# Altium PCB LimeSDR-QPCIe_1v2.PcbDoc (part 18 of 21)
Units mm, origin at the board's own origin, x right, y up, seen from the top; angles counter-clockwise.
Board outline 190 x 111.15 mm, 14 copper layers (Top, L2, L3, L4, L5, L6, L7, L8, L9, L10, L11, L12, L13, Bottom), stack 1.907 mm thick; 2014 components, 1408 nets, 9111 pads, 4171 vias.
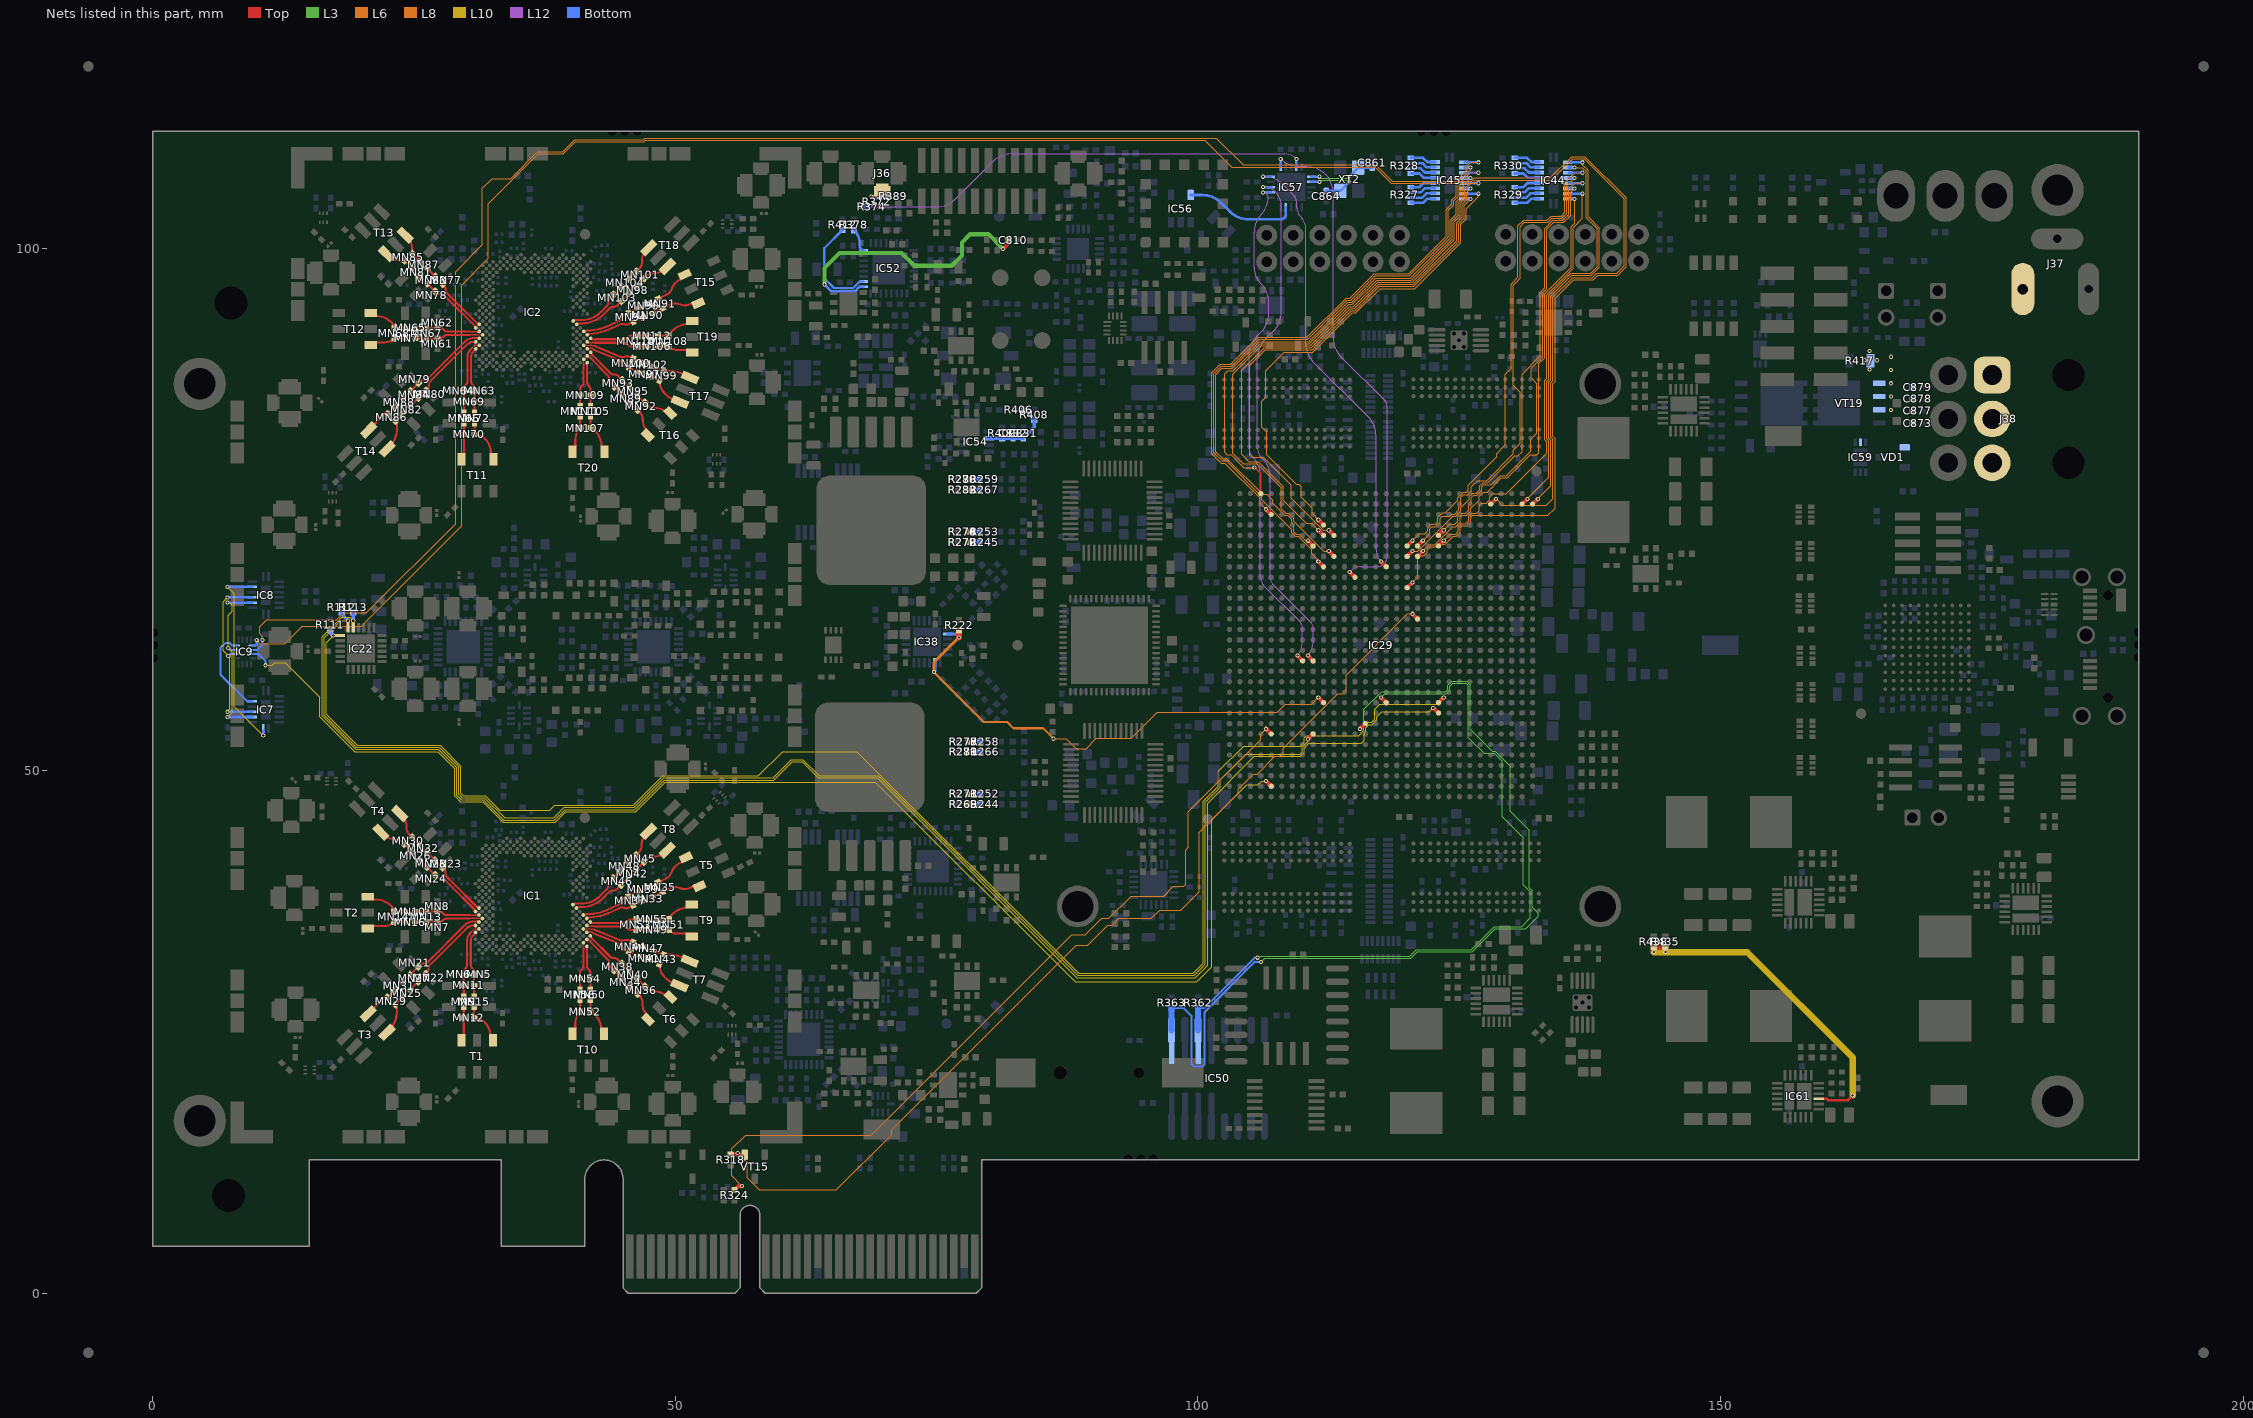
[diagram p30: the nets of this part, all layers, seen from the top]

## Via types
v1: diameter 0.4, hole 0.2, Top to Bottom, tented both sides, 3282 vias
v2: diameter 0.4, hole 0.2, Top to Bottom, tented top, 531 vias
v3: diameter 0.35, hole 0.2, Top to Bottom, tented top, 210 vias
v4: diameter 0.5, hole 0.2, Top to Bottom, tented both sides, 99 vias
v5: diameter 0.5, hole 0.2, Top to Bottom, tented bottom, 49 vias

## Nets (pads, with @x,y where several pads share a name; then routed paths per layer and width w, separated by ;. In a path a pad name is that pad's centre, name@x,y a point inside that pad or via, vN(x,y) a via of type N, cw(c..) or ccw(c..) an arc to the next point about the centre after c; other vN are vias at no path point) (continued)
PCIE_SMDAT_LS: IC29.V12 R318.2 VT15.S | length 96.7
  Top w0.309: R318.2@55.3,13.25 VT15.S@56.65,13.25
  Top w0.4: v2(120.525,65) IC29.V12@121.025,64.5
  L8 w0.1: v1(55.975,13.425) 56.9,12.5 56.9,11.025 58.025,9.9 65.425,9.9 70.7,15.175 70.7,15.625 88.35,33.275 89.45,33.275 91.4,35.225 91.825,35.225 92.45,35.85 95.55,35.85 96.35,36.65 98.35,36.65 100.125,38.425 100.125,44.105 103.875,47.855 103.875,48.225 105.3,49.65 105.67,49.65 107.37,51.35 107.85,51.35 108.175,51.675 108.175,52.155 113.385,57.365 113.865,57.365 114.175,57.675 114.175,59.145 120.03,65 v2(120.525,65)
PCIE_WAKEN: IC29.G26 R324.1 | length 77.5
  Top w0.4: R324.1@55.675,9.875 56.05,10.25 v1(56.375,10.25) ; v2(106.525,54) IC29.G26@107.025,53.5
  L8 w0.1: v1(56.375,10.25) 55.4,11.225 55.4,13.8 56.725,15.125 68.77,15.125 87.92,34.275 89.225,34.275 90.808,35.858 91.475,35.858 93.617,38 96.725,38 97.65,38.925 98.65,38.925 98.85,39.125 98.85,42.4 99.1,42.65 99.1,46.07 106,52.97 106,53.475 v2(106.525,54)
PD_ADC_DRV: IC29.K21 IC38.14 IC38.20 R222.1 | length 49.7
  Top w0.4: v2(111.525,57) IC29.K21@112.025,56.5
  Top w0.6: v1(77.15,62.75) R222.1@77.15,63.4
  L6 w0.2: v1(74.75,59.425) 79.525,54.65 81.75,54.65 82.346,54.054 85.196,54.054 v1(86.2,53.05)
  L6 w0.3: v1(74.75,59.425) 74.75,60.35 v1(77.15,62.75)
  L8 w0.1: v1(86.2,53.05) 87.425,53.05 88.38,52.095 89.3,52.095 90.28,53.075 93.625,53.075 96.125,55.575 107.595,55.575 108.37,56.35 108.67,56.35 110.875,56.35 v2(111.525,57)
  Bottom w0.254: IC38.14@76.075,63.075 76.825,63.075 v1(77.15,62.75)
  Bottom w0.3: v1(74.75,59.425) 74.825,59.5 IC38.20@74.825,60.325
PG_VCC1P1: IC61.21 R435.2 R438.1 | length 31.4
  Top w0.25: IC61.21@159.425,18.6 160.175,18.6 160.3,18.475 162.2,18.475 v1(162.65,18.925)
  Top w0.6: R438.1@143.625,33.125 R435.2@144.725,33.125
  L10 w0.6: v1(143.625,32.625) 152.575,32.625 162.65,22.55 v1(162.65,18.925)
  other v1: 144.725,32.625
PMOD_A_PIN1: IC44.2 R329.7 | length 2.5
  Bottom w0.25: R329.7@130.325,104.325 131.5,104.325 131.9,104.725 IC44.2@132.675,104.725
PMOD_A_PIN1_LS: IC29.AD12 IC44.19 | length 42.6
  Top w0.4: IC29.AD12@121.025,70.5 v2(121.525,71)
  L6 w0.1: v2(121.525,71) 122.15,71.625 122.645,71.625 124.37,73.35 124.653,73.35 125.085,73.782 125.085,74.194 125.316,74.425 125.728,74.425 126.125,74.822 126.125,75.105 126.9,75.88 126.9,76.267 127.283,76.65 127.67,76.65 129.045,78.025 129.603,78.025 131.803,80.225 132.425,80.225 132.625,80.425 132.625,88.959 133.175,89.509 133.175,95.624 135.721,98.17 135.721,102.029 136.05,102.358 v1(136.05,104.7)
  Bottom w0.25: IC44.19@135.475,104.7 v1(136.05,104.7)
PMOD_A_PIN2: IC44.3 R329.5 | length 2.5
  Bottom w0.25: R329.5@130.325,104.825 131.425,104.825 131.825,105.225 IC44.3@132.675,105.225
PMOD_A_PIN2_LS: IC29.AE10 IC44.18 | length 42.7
  Top w0.4: IC29.AE10@123.025,71.5 v2(123.525,72)
  L6 w0.1: v2(123.525,72) 124.15,72.625 124.65,72.625 124.905,72.88 124.905,73.32 125.211,73.625 125.65,73.625 125.925,73.9 125.925,74.339 126.223,74.637 126.663,74.637 126.9,74.875 126.9,75.35 127.125,75.575 127.6,75.575 127.925,75.9 127.925,76.2 128.225,76.5 129.525,76.5 133.375,80.35 133.375,81.45 133.175,81.65 133.175,87.35 133.375,87.55 133.375,95.541 135.921,98.087 135.921,101.946 136.8,102.825 v1(136.8,105.2)
  Bottom w0.25: IC44.18@135.475,105.2 v1(136.8,105.2)
PMOD_A_PIN3: IC44.4 R329.3 | length 2.5
  Bottom w0.25: R329.3@130.325,105.325 131.275,105.325 131.675,105.725 IC44.4@132.675,105.725
PMOD_A_PIN3_LS: IC29.AF10 IC44.17 | length 41.6
  Top w0.4: IC29.AF10@123.025,72.5 v2(123.525,73)
  L6 w0.1: v2(123.525,73) 124.075,73.55 124.57,73.55 124.885,73.865 124.885,74.277 125.233,74.625 125.645,74.625 125.925,74.905 125.925,75.325 126.175,75.575 126.175,76.145 126.38,76.35 126.7,76.35 127.175,76.825 127.175,77.15 127.375,77.35 128.087,77.35 128.962,78.225 129.52,78.225 131.85,80.555 131.85,81.725 132.425,82.3 132.425,87.025 131.875,87.575 131.875,88.492 132.975,89.592 132.975,92.481 132.975,95.706 133.379,96.11 133.379,101.779 134.046,102.446 134.995,102.446 135.7,103.151 135.7,105.35 v1(136.05,105.7)
  Bottom w0.25: IC44.17@135.475,105.7 v1(136.05,105.7)
PMOD_A_PIN4: IC44.5 R329.1 | length 2.5
  Bottom w0.25: R329.1@130.325,105.825 131.15,105.825 131.55,106.225 IC44.5@132.675,106.225
PMOD_A_PIN4_LS: IC29.AD13 IC44.16 | length 46.1
  Top w0.4: IC29.AD13@120.025,70.5 v2(120.525,71)
  L6 w0.1: v2(120.525,71) 121.03,71 124.38,74.35 124.675,74.35 125.175,74.85 125.175,75.145 125.975,75.945 125.975,76.228 126.297,76.55 126.617,76.55 126.975,76.908 126.975,77.233 127.292,77.55 127.725,77.55 130.3,80.125 130.625,80.125 131.025,80.525 131.025,87.925 132.775,89.675 132.775,92.564 132.775,95.789 133.179,96.193 133.179,101.861 133.964,102.646 134.912,102.646 135.5,103.234 135.5,105.645 136.055,106.2 v1(136.8,106.2)
  Bottom w0.25: IC44.16@135.475,106.2 136.05,106.2 v1(136.8,106.2)
PMOD_A_PIN7: IC44.6 R330.7 | length 2.5
  Bottom w0.25: R330.7@130.325,107.125 131.15,107.125 131.55,106.725 IC44.6@132.675,106.725
PMOD_A_PIN7_LS: IC29.AE12 IC44.15 | length 46
  Top w0.4: IC29.AE12@121.025,71.5 v2(121.525,72)
  L6 w0.1: v2(121.525,72) 122.175,72.65 122.175,73.145 122.38,73.35 122.775,73.35 123.175,73.75 123.175,74.145 123.38,74.35 124.097,74.35 124.297,74.55 124.57,74.55 124.975,74.955 124.975,75.228 125.175,75.428 125.175,76.145 125.399,76.369 125.834,76.369 126.175,76.711 126.175,77.145 126.78,77.75 127.625,77.75 130.175,80.3 130.175,80.67 130.825,81.32 130.825,86.2 130.175,86.85 130.175,96.45 130.825,97.1 130.825,102.025 131.25,102.45 133.484,102.45 133.881,102.846 134.829,102.846 135.3,103.317 135.3,105.95 v1(136.05,106.7)
  Bottom w0.25: IC44.15@135.475,106.7 v1(136.05,106.7)
PMOD_A_PIN8: IC44.7 R330.5 | length 2.5
  Bottom w0.25: R330.5@130.325,107.625 131.275,107.625 131.675,107.225 IC44.7@132.675,107.225
PMOD_A_PIN8_LS: IC29.AE13 IC44.14 | length 47.1
  Top w0.4: IC29.AE13@120.025,71.5 v2(120.525,72)
  L6 w0.1: v2(120.525,72) 121.175,72.65 121.7,72.65 121.975,72.925 121.975,73.228 122.297,73.55 122.692,73.55 122.975,73.833 122.975,74.228 123.397,74.65 123.67,74.65 124.875,75.855 124.875,76.128 125.397,76.65 125.67,76.65 125.875,76.855 125.875,77.325 128.575,80.025 128.575,80.309 129.425,81.159 129.425,87.925 129.975,88.475 129.975,96.533 130.625,97.183 130.625,102.108 131.167,102.65 133.401,102.65 133.798,103.046 134.746,103.046 135.1,103.4 135.1,106.245 136.055,107.2 v1(136.8,107.2)
  Bottom w0.25: IC44.14@135.475,107.2 v1(136.8,107.2)
PMOD_A_PIN9: IC44.8 R330.3 | length 2.5
  Bottom w0.25: R330.3@130.325,108.125 131.425,108.125 131.825,107.725 IC44.8@132.675,107.725
PMOD_A_PIN9_LS: IC29.AJ2 IC44.13 | length 38.4
  Top w0.4: IC29.AJ2@131.025,75.5 v2(131.525,76)
  L6 w0.1: v2(131.525,76) 133.575,78.05 133.575,81.533 133.375,81.733 133.375,87.267 133.575,87.467 133.575,95.458 135.692,97.575 137.567,97.575 138.221,98.229 138.221,101.821 137.15,102.892 137.15,107.345 136.795,107.7 v1(136.05,107.7)
  Bottom w0.25: IC44.13@135.475,107.7 v1(136.05,107.7)
PMOD_A_PIN10: IC44.9 R330.1 | length 2.5
  Bottom w0.25: R330.1@130.325,108.625 131.5,108.625 131.9,108.225 IC44.9@132.675,108.225
PMOD_A_PIN10_LS: IC29.AJ1 IC44.12 | length 38.6
  Top w0.4: IC29.AJ1@132.025,75.5 v2(132.525,76)
  L6 w0.1: v2(132.525,76) 133.775,77.25 133.775,81.616 133.575,81.816 133.575,87.184 133.775,87.384 133.775,95.375 135.775,97.375 137.65,97.375 138.421,98.146 138.421,101.904 137.35,102.975 137.35,107.428 136.8,107.978 v1(136.8,108.2)
  Bottom w0.25: IC44.12@135.475,108.2 136.05,108.2 v1(136.8,108.2)
PMOD_B_PIN1: IC45.2 R327.7 | length 2.5
  Bottom w0.25: R327.7@120.375,104.325 121.55,104.325 121.95,104.725 IC45.2@122.725,104.725
PMOD_B_PIN1_LS: IC29.AF20 IC45.19 | length 50.6
  Top w0.4: v2(112.525,73) IC29.AF20@113.025,72.5
  L8 w0.1: v2(112.525,73) 112.02,73 108.95,76.07 108.95,77.28 106.255,79.975 105.175,79.975 104.975,80.175 104.975,88.8 106.425,90.25 110.922,90.25 114.672,94 115.042,94 117.367,96.325 120.674,96.325 124.95,100.601 124.95,102.344 125.5,102.894 125.5,104.1 v1(126.1,104.7)
  Bottom w0.25: IC45.19@125.525,104.7 v1(126.1,104.7)
PMOD_B_PIN2: IC45.3 R327.5 | length 2.5
  Bottom w0.25: R327.5@120.375,104.825 121.475,104.825 121.875,105.225 IC45.3@122.725,105.225
PMOD_B_PIN2_LS: IC29.AG21 IC45.18 | length 48
  Top w0.4: v2(111.525,74) IC29.AG21@112.025,73.5
  L8 w0.1: v2(111.525,74) 110.925,74.6 110.925,75.095 109.875,76.145 109.875,77.175 109.675,77.375 109.421,77.375 106.575,80.221 106.575,82.4 106.1,82.875 106.1,85.325 106.5,85.725 106.5,88.275 108.275,90.05 111.005,90.05 114.755,93.8 115.125,93.8 117.45,96.125 120.756,96.125 125.15,100.519 125.15,102.261 125.7,102.811 125.7,103.775 126.85,104.925 v1(126.85,105.2)
  Bottom w0.25: IC45.18@125.525,105.2 v1(126.85,105.2)
PMOD_B_PIN3: IC45.4 R327.3 | length 2.5
  Bottom w0.25: R327.3@120.375,105.325 121.325,105.325 121.725,105.725 IC45.4@122.725,105.725
PMOD_B_PIN3_LS: IC29.AF21 IC45.17 | length 51.7
  Top w0.4: v2(111.525,73) IC29.AF21@112.025,72.5
  L8 w0.1: v2(111.525,73) 110.875,73.65 110.38,73.65 108.175,75.855 108.175,77.15 105.775,79.55 104.875,79.55 104.175,80.25 104.175,88.283 106.342,90.45 110.839,90.45 114.589,94.2 114.959,94.2 117.284,96.525 120.591,96.525 124.75,100.684 124.75,102.426 125.3,102.976 125.3,104.183 125.725,104.608 125.725,105.325 v1(126.1,105.7)
  Bottom w0.25: IC45.17@125.525,105.7 v1(126.1,105.7)
PMOD_B_PIN4: IC45.5 R327.1 | length 2.5
  Bottom w0.25: R327.1@120.375,105.825 121.2,105.825 121.6,106.225 IC45.5@122.725,106.225
PMOD_B_PIN4_LS: IC29.AD20 IC45.16 | length 57.4
  Top w0.4: v2(112.525,71) IC29.AD20@113.025,70.5
  L8 w0.1: v2(112.525,71) 112.03,71 109.175,73.855 109.175,74.15 108.685,74.64 108.39,74.64 107.975,75.055 107.975,77.067 105.692,79.35 104.35,79.35 103.325,80.375 103.325,87.925 106.05,90.65 110.757,90.65 114.506,94.4 114.876,94.4 117.201,96.725 120.508,96.725 124.55,100.767 124.55,102.509 125.1,103.059 125.1,104.266 125.525,104.691 125.525,105.62 126.105,106.2 v1(126.85,106.2)
  Bottom w0.25: IC45.16@125.525,106.2 126.1,106.2 v1(126.85,106.2)
PMOD_B_PIN7: IC45.6 R328.7 | length 2.5
  Bottom w0.25: R328.7@120.375,107.125 121.2,107.125 121.6,106.725 IC45.6@122.725,106.725
PMOD_B_PIN7_LS: IC29.AK27 IC45.15 | length 48
  Top w0.15: v1@105.425,79.025 106.025,78.425 IC29.AK27@106.025,76.5
  L8 w0.1: v1(105.4,79) 104.4,79 103.175,80.225 102.775,80.225 102.55,80.45 102.55,87.975 102.85,88.275 103.392,88.275 105.967,90.85 110.674,90.85 114.424,94.6 114.794,94.6 117.119,96.925 120.425,96.925 124.35,100.85 124.35,102.592 124.9,103.142 124.9,104.349 125.325,104.774 125.325,105.925 v1(126.1,106.7)
  Bottom w0.25: IC45.15@125.525,106.7 v1(126.1,106.7)
PMOD_B_PIN8: IC45.7 R328.5 | length 2.5
  Bottom w0.25: R328.5@120.375,107.625 121.325,107.625 121.725,107.225 IC45.7@122.725,107.225
PMOD_B_PIN8_LS: IC29.AE22 IC45.14 | length 58.2
  Top w0.4: v2(110.525,72) IC29.AE22@111.025,71.5
  L8 w0.1: v2(110.525,72) 110.303,72 109.703,72.6 109.42,72.6 109.175,72.845 109.175,73.525 108.975,73.725 108.975,74.067 108.602,74.44 108.307,74.44 107.15,75.597 107.15,75.87 106.6,76.42 106.188,76.42 102.783,79.825 102.405,79.825 101.725,80.505 101.725,87.895 102.305,88.475 103.309,88.475 105.884,91.05 110.591,91.05 114.341,94.8 114.711,94.8 117.036,97.125 120.325,97.125 124.15,100.95 124.15,102.675 124.7,103.225 124.7,104.431 125.125,104.856 125.125,106.25 126.075,107.2 v1(126.85,107.2)
  Bottom w0.25: IC45.14@125.525,107.2 v1(126.85,107.2)
PMOD_B_PIN9: IC45.8 R328.3 | length 2.5
  Bottom w0.25: R328.3@120.375,108.125 121.475,108.125 121.875,107.725 IC45.8@122.725,107.725
PMOD_B_PIN9_LS: IC29.AC21 IC45.13 | length 59.2
  Top w0.4: v2(111.525,70) IC29.AC21@112.025,69.5
  L8 w0.1: v2(111.525,70) 111.525,70.108 110.875,70.758 110.875,71.145 109.62,72.4 109.337,72.4 108.975,72.762 108.975,73.055 106.1,75.93 106.1,76.225 102.7,79.625 102.322,79.625 101.525,80.422 101.525,87.978 102.222,88.675 103.226,88.675 105.801,91.25 110.508,91.25 114.258,95 114.628,95 116.953,97.325 120.242,97.325 123.95,101.033 123.95,103.6 124.5,104.15 124.5,104.514 124.925,104.939 124.925,106.333 126.1,107.508 v1(126.1,107.7)
  Bottom w0.25: IC45.13@125.525,107.7 v1(126.1,107.7)
PMOD_B_PIN10: IC45.9 R328.1 | length 2.5
  Bottom w0.25: R328.1@120.375,108.625 121.55,108.625 121.95,108.225 IC45.9@122.725,108.225
PMOD_B_PIN10_LS: IC29.AH26 IC45.12 | length 54.1
  Top w0.4: v2(106.525,75) IC29.AH26@107.025,74.5
  L8 w0.1: v2(106.525,75) 105.9,75.625 105.9,76.12 102.595,79.425 102.239,79.425 101.325,80.339 101.325,88.061 102.139,88.875 103.144,88.875 105.719,91.45 110.425,91.45 114.175,95.2 114.545,95.2 116.87,97.525 120.159,97.525 123.75,101.116 123.75,103.683 124.3,104.233 124.3,104.597 124.725,105.022 124.725,106.416 125.75,107.441 125.75,107.845 126.105,108.2 v1(126.85,108.2)
  Bottom w0.25: IC45.12@125.525,108.2 126.1,108.2 v1(126.85,108.2)
PWR_IN: C873.1 C877.1 C878.1 C879.1 IC59.2 J37.1 J38.1 J38.2 J38.3 R417.2 VD1.1 VT19.1 VT19.2 VT19.3
  other v1: 166.325,84.515 166.325,85.785 166.325,87.055 166.325,88.325 164.275,88.37 163.775,89.265 164.975,89.265 166.325,89.595 164.275,90.14
REF_ADF: C810.2 IC52.17 | length 27.6
  Top w0.4: v1(81.35,99.925) 81.85,100.425 C810.2@81.85,100.75
  L3 w0.4: v1(64.275,96.525) 64.275,98.083 65.717,99.525 71.65,99.525 72.875,98.3 76.45,98.3 77.425,99.275 77.425,100.525 78.225,101.325 79.95,101.325 v1(81.35,99.925)
  Bottom w0.254: v1(64.275,96.525) 64.95,95.85 67.175,95.85 67.625,96.3 IC52.17@68.025,96.3
REF_CLK_IN: J36.1 R372.2 R389.1 | length 2.9
  Top w0.309: v1(68.775,104.925) ccw(c68.775,105.891) 69.458,105.208 J36.1@69.8,105.55
  Bottom w0.254: v1(68.775,104.925) R372.2@69.3,104.925 70.254,104.925 ccw(c70.254,105.096) R389.1@70.375,104.975
REF_CLK_OUT: IC52.24 R378.2 | length 2.3
  Bottom w0.254: R378.2@67.1,101.725 67.12,101.705 cw(c65.839,100.425) 67.65,100.425 67.65,100.15 ccw(c68.025,100.15) IC52.24@68.025,99.775
RF_SW_V1: IC22.17 IC29.J10 R113.2 | length 157.4
  Top w0.3: IC22.17@19.188,63.675 v1@19.188,64.312
  Top w0.4: v2(122.525,56) IC29.J10@123.025,55.5
  L10 w0.1: v1(19.188,64.337) 19.183,64.337 18.833,64.687 18.079,64.687 16.2,62.808 16.2,60.9 16.2,57.101 16.2,55.234 19.409,52.025 27.334,52.025 29.087,50.273 29.087,47.655 29.526,47.216 31.643,47.216 33.609,45.25 38.433,45.25 39.458,46.275 46.141,46.275 48.966,49.1 59.433,49.1 61.183,50.85 62.133,50.85 63.683,49.3 69.314,49.3 88.414,30.2 99.747,30.2 100.925,31.378 100.925,46.9 105.375,51.35 109.814,51.35 110.175,51.711 110.175,52.145 110.63,52.6 115.625,52.6 115.925,52.9 115.925,53.617 116.075,53.767 116.075,54.117 116.354,54.396 116.679,54.396 117.125,54.842 117.125,55.175 117.575,55.625 122.15,55.625 v2(122.525,56)
  Bottom w0.3: R113.2@19.176,65.15 19.188,65.138 v1(19.188,64.337)
RF_SW_V2: IC22.18 IC29.G22 R112.2 | length 142.6
  Top w0.3: IC22.18@18.688,63.675 v1@18.688,64.312
  Top w0.4: v2(110.525,53) IC29.G22@111.025,53.5
  L10 w0.1: v1(18.688,64.337) 18.012,64.337 16.4,62.725 16.4,55.317 19.492,52.225 27.417,52.225 29.287,50.355 29.287,47.738 29.609,47.416 31.726,47.416 33.676,45.466 38.366,45.466 39.375,46.475 46.058,46.475 48.883,49.3 59.35,49.3 61.1,51.05 62.216,51.05 63.766,49.5 69.397,49.5 88.497,30.4 99.664,30.4 100.725,31.461 100.725,46.983 102.155,48.413 102.155,49.125 104.58,51.55 109.731,51.55 109.975,51.794 109.975,52.228 110.525,52.778 v2(110.525,53)
  Bottom w0.3: R112.2@18.076,65.15 18.076,64.949 v1(18.688,64.337)
RF_SW_V3: IC22.19 IC29.K10 R111.2 | length 155.1
  Top w0.3: v1@17.301,62.925 IC22.19@17.938,62.925
  Top w0.4: IC29.K10@123.025,56.5 v2(123.525,57)
  L10 w0.1: v1(17.276,62.925) 16.6,62.249 16.6,55.4 19.575,52.425 27.5,52.425 29.487,50.438 29.487,47.821 29.692,47.616 31.809,47.616 33.2,46.225 38,46.225 38.45,46.675 45.975,46.675 48.8,49.5 57.95,49.5 60.275,51.825 67.355,51.825 88.58,30.6 99.581,30.6 100.525,31.544 100.525,47.066 101.955,48.496 101.955,49.93 104.375,52.35 109.814,52.35 110.17,52.706 110.17,53.14 110.38,53.35 115.375,53.35 115.875,53.85 115.875,54.2 116.3,54.625 116.625,54.625 116.925,54.925 116.925,55.875 117.4,56.35 122.875,56.35 v2(123.525,57)
  Bottom w0.4: R111.2@16.976,63.45 16.976,63.225 v1(17.276,62.925)
RTC_32KHZ: IC29.H17 IC50.1 R363.1 | length 90.6
  Top w0.4: v2(115.525,54) IC29.H17@116.025,54.5
  L3 w0.1: v1(106.05,31.7) 106.4,32.05 120.358,32.05 120.983,32.675 126.255,32.675 128.455,34.875 131.37,34.875 132.575,36.08 132.575,36.37 132,36.945 132,38.483 131.7,38.783 131.7,44.3 129.875,46.125 129.875,50.428 128.453,51.85 128.17,51.85 126.075,53.945 126.075,58.228 125.753,58.55 124.825,58.55 124.297,58.55 123.905,58.158 123.905,57.738 123.717,57.55 117.57,57.55 115.875,55.855 115.875,54.35 v2(115.525,54)
  Bottom w0.2: R363.1@97.48,27.27 98.655,27.27 99.375,26.55 99.375,21.925 99.6,21.7 100.45,21.7 100.65,21.9 100.65,26.9 105.45,31.7 v1(106.05,31.7)
  Bottom w0.6: R363.1@97.48,27.27 IC50.1@97.48,25.15 ccw(c97.432,25.198) IC50.1@97.5,25.198
RTC_INT_SQW: IC29.K15 IC50.3 R362.1 | length 72.7
  Top w0.4: v2(117.525,57) IC29.K15@118.025,56.5
  L3 w0.1: v1(105.7,32.1) 105.85,32.25 120.275,32.25 120.9,32.875 126.172,32.875 128.372,35.075 130.975,35.075 131.8,35.9 131.8,38.4 131.125,39.075 131.125,43.575 129.125,45.575 129.125,50.895 128.37,51.65 127.38,51.65 125.875,53.155 125.875,58.145 125.67,58.35 124.38,58.35 124.105,58.075 124.105,57.655 123.8,57.35 117.875,57.35 v2(117.525,57)
  Bottom w0.2: R362.1@100.02,27.27 100.596,27.27 105.426,32.1 v1(105.7,32.1)
  Bottom w0.6: IC50.3@100.02,25.15 R362.1@100.02,27.27
RXRF11_HAB_N: IC1.AJ15 MN46.1 MN48.2 | length 6.1
  Top w0.2: IC1.AJ15@40.209,37.182 cw(c40.45,36.941) 40.45,37.282 40.942,37.282 41.025,37.282 ccw(c41.025,39.847) 42.839,38.033 43.439,38.633 ccw(c43.08,38.992) 43.588,38.992 43.588,39.038 cw(c44.096,39.038) 43.736,39.397 MN46.1@44.084,39.746 MN48.2@44.827,40.488
RXRF11_HAB_P: IC1.AK14 MN42.2 MN46.2 | length 6
  Top w0.2: IC1.AK14@40.542,36.849 cw(c40.783,36.608) 40.783,36.949 40.959,36.949 41.042,36.949 ccw(c41.042,39.83) 43.079,37.793 43.679,38.393 cw(c44.038,38.034) 44.038,38.542 44.084,38.542 ccw(c44.084,39.05) 44.443,38.69 MN46.2@44.792,39.038 MN42.2@45.534,39.781
RXRF11_HBB_N: MN45.1 MN48.1 T8.6 | length 3.7
  Top w0.2: MN48.1@45.534,41.195 MN45.1@46.276,41.938 46.302,41.963 46.524,42.185 ccw(c45.901,42.808) 46.782,42.808 46.782,42.901 cw(c48.306,42.901) 47.228,43.978 T8.6@47.436,44.186
RXRF11_HBB_P: MN42.1 MN45.2 T8.4 | length 3.7
  Top w0.2: MN42.1@46.241,40.488 46.524,40.771 MN45.2@46.984,41.23 47.231,41.478 ; 47.256,41.503 cw(c47.879,40.88) 47.879,41.761 47.972,41.761 ccw(c47.972,43.285) 49.049,42.207 T8.4@49.257,42.415
RXRF11_LAB_N: IC1.AM12 MN37.1 MN39.2 | length 5.8
  Top w0.2: IC1.AM12@41.264,36.156 cw(c41.505,35.914) 41.505,36.256 ccw(c41.484,41.259) 43.458,36.661 44.514,37.154 ; 44.543,37.167 ccw(c44.328,37.628) 44.806,37.454 44.821,37.497 cw(c45.299,37.323) 45.084,37.784 MN37.1@45.53,37.992 MN39.2@46.482,38.436
RXRF11_LAB_P: IC1.AN11 MN33.2 MN37.2 | length 5.7
  Top w0.2: IC1.AN11@41.541,35.85 cw(c41.782,35.609) 41.782,35.95 ccw(c41.628,40.951) 43.602,36.353 44.687,36.859 cw(c44.901,36.399) 45.075,36.876 45.118,36.861 ccw(c45.292,37.338) 45.507,36.878 MN37.2@45.953,37.086 MN33.2@46.904,37.529
RXRF11_LBB_N: MN35.1 MN39.1 T5.2 | length 4.2
  Top w0.2: MN39.1@47.388,38.858 MN35.1@48.34,39.302 48.657,39.45 49.157,39.7 ccw(c48.785,40.499) 49.613,40.197 49.644,40.284 cw(c51.076,39.763) 50.432,41.144 T5.2@50.699,41.268
RXRF11_LBB_P: MN33.1 MN35.2 T5.1 | length 4.2
  Top w0.2: MN33.1@47.811,37.952 48.173,38.121 MN35.2@48.762,38.396 49.08,38.544 49.58,38.794 cw(c49.952,37.995) 50.253,38.823 ; 50.253,38.823 50.461,38.748 ccw(c50.876,39.889) 51.39,38.788 T5.1@51.772,38.966
RXRF11_WAB_N: IC1.AP10 MN53.2 MN55.2 | length 5.5
  Top w0.16: IC1.AP10@41.874,35.517 ccw(c42.12,35.763) 42.12,35.415 42.255,35.415 cw(c42.304,35.367) 42.304,35.435
  Top w0.2: 42.304,35.435 44.986,35.435 ccw(c44.986,35.943) 45.345,35.584 45.378,35.616 cw(c45.737,35.257) 45.737,35.765 MN53.2@46.229,35.765 MN55.2@47.279,35.765
RXRF11_WAB_P: IC1.AN9 MN49.2 MN53.1 | length 5.9